# Allegro board CHIP_v1_0_20151123.brd (continued)
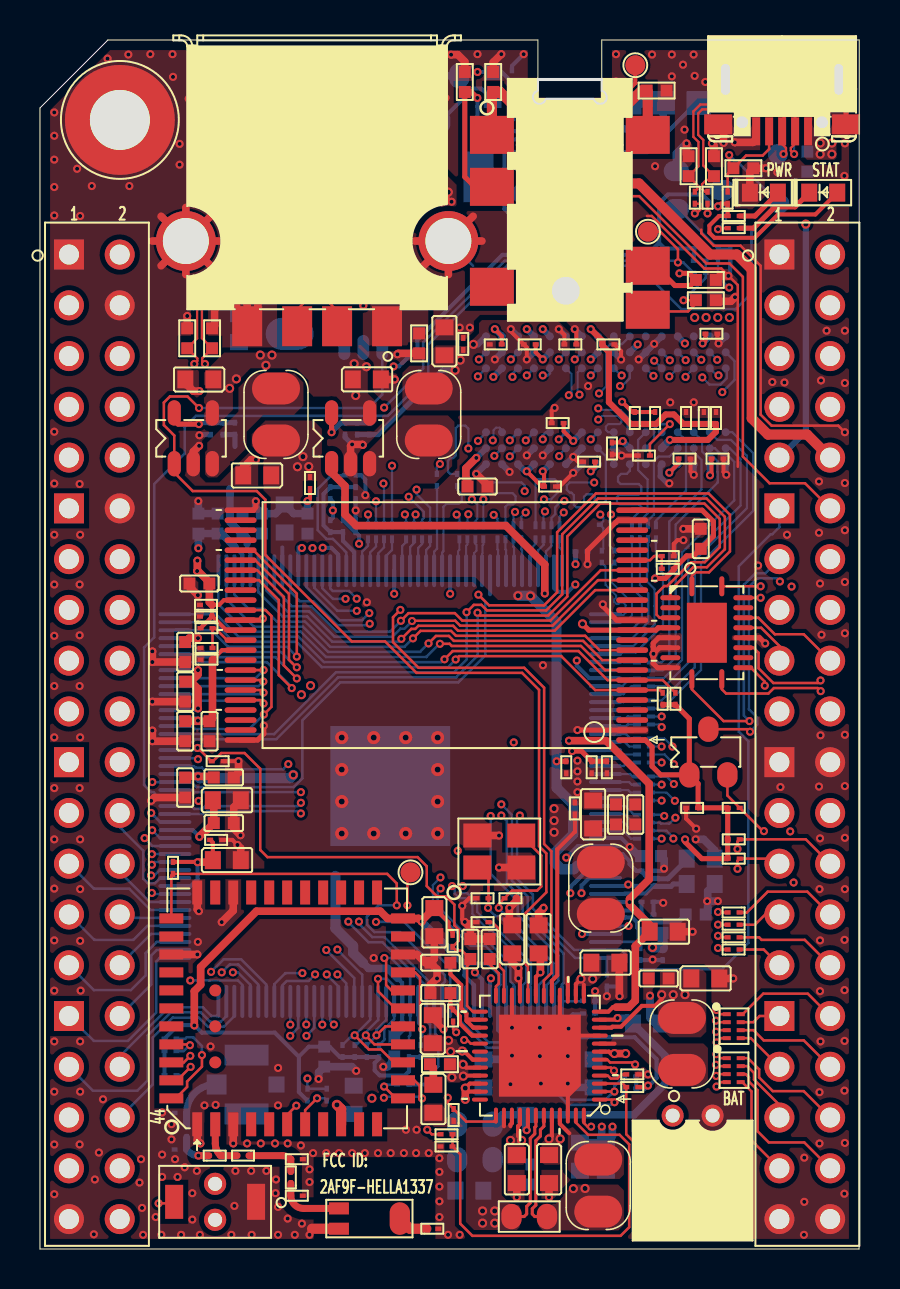
[diagram p0: board, top side]
## Routing (per net, layer and track width the routed paths; a pad name or vN(x,y) marks a point on that pad's centre or on a via; arc(x,y) is an arc through that point) (continued)
  BOTTOM w0.203: U1.77 27.4,18.96 26.55,18.11 v1(26.55,17.81)
HPL: length 86.2
  IN1 w0.203: U14.4 39.55,47.26 37.99,48.82 37.99,50.16 37.42,50.74 36.61,50.74 36.11,50.24 33.21,50.24 31.97,51.48 31.97,52.3 28.91,55.37 v1(27.16,55.37) 26.69,54.9 24.12,54.9 22.93,56.08 18.26,56.08 12.48,50.3 12.48,44.25 9.54,41.31 9.54,33.94 17.08,26.4 27.08,26.4 27.33,26.15 27.33,22.35 26.46,21.47 26.46,19.7 v1(26.34,19.59)
  BOTTOM w0.203: v1(27.16,55.37) 26.8,55.37 26.55,55.11 26.55,54.67 R101.1 C79.1 ; U1.74 26.92,20.16 v1(26.34,19.59)
HPR: length 87.4
  IN1 w0.203: v1(27.11,17.81) 27.3,18 27.3,21.12 28.17,22 28.17,26.49 27.43,27.24 17.43,27.24 10.37,34.29 10.37,40.97 13.31,43.91 13.31,49.95 18.61,55.24 22.59,55.24 24.04,53.79 v1(24.19,53.79) 24.45,54.05 29.04,54.05 31.14,51.95 31.14,51.13 32.87,49.4 35.23,49.4 36.39,48.23 37.38,48.23 38.03,47.59 38.03,45.86 38.56,45.33 38.56,43.13 U14.8
  BOTTOM w0.203: C78.1 24.26,53.71 v1(24.19,53.79) 24.12,53.79 R100.1 ; v1(27.11,17.81) 27.11,18.19 27.48,18.56 U1.78
HPVCC: length 248.7
  TOP w0.203: 8.64,31.65 8.61,31.68 C190.2 8.97,32.23 9.2,32.47 U30.34 ; 8.64,31.65 9.32,30.97 U30.37 ; 8.64,31.65 C193.2 8.61,31.64 NSR4.1 ; R11.2 30.36,8.1 v1(30.43,8.18) ; R17.2 20.65,15.87 20.45,16.07 20.45,16.35 C50.1 ; C157.1 8.65,20.34 C189.2 ; U30.39 9.11,29.97 C192.2 ; v1(7.89,19.35) 7.88,19.37 R65.2 ; v1(33.94,52.17) 34.07,52.3 R70.2 34.42,51.69 R8.2 33.99,51.69 33.51,51.21 33.51,50.85 33.76,50.6 35.78,50.6 36.95,51.77 38.81,51.77 D2.1
  TOP w0.254: C172.2 v1(25.86,24.4) ; U30.1 30.29,25.47 30.64,25.12 30.64,24.16 31.07,23.72 Q11.1 ; Q11.1 32.94,23.28 C191.2 R206.1 R6.1 R18.1 33.13,19.53 32.29,20.37 v1(32.29,20.5) ; Q11.1 32.5,26.54 R131.1 R130.1 ; U27.5 30.94,31.08 30.82,30.97 U30.12 27.47,30.97 v2(27.16,31.28) ; v1(30.79,33.55) 31.3,33.55 31.72,33.98 NSR3.1 32.37,34.68 32.72,34.68 C145.2 33.71,35.67 33.71,36.4 33.14,36.97 U30.24
  TOP w0.381: C192.2 8.64,26.56 C158.2 7.94,26.41 v1(7.91,26.44) 7.88,26.41 C160.2 ; v1(7.89,19.35) 8.55,19.35 C157.1 ; v1(7.73,11.19) 7.73,12.9 8.04,13.22 8.04,14.11 10.84,16.9 17.03,16.9 17.4,16.54 U9.22 18.95,16.54 v1(19.11,16.38) 19.11,16.43 C50.1 ; v1(7.88,34.44) 7.88,33.93 v1(7.87,33.92) 7.91,33.92 8.48,33.36 C159.2 8.48,32.36 C190.2
  IN1 w0.203: v2(13.16,39.65) 13.16,40.76 15.61,43.21 16.74,43.21 v1(17.7,44.16)
  IN1 w0.254: v2(38.33,51.28) 37.44,52.17 v1(33.94,52.17)
  IN1 w0.381: v1(20.07,58.88) 19.82,59.13 12.07,59.13 8.97,56.03 v1(8.97,54.05) 7.73,52.81 5.36,52.81 2.75,50.19 2.75,45.97 U13.5 ; v1(32.29,20.5) 32.29,20.69 31.92,21.06 31.02,21.06 30.59,21.49 30.59,27.85 v2(27.16,31.28)
  IN2 w0.381: v1(7.89,19.35) 10.18,17.07 10.18,13.62 7.74,11.19 v1(7.73,11.19)
  BOTTOM w0.203: 18.27,8.69 18.47,8.89 R49.1 R48.1 R2.1 ; 18.27,8.69 17.01,8.69 16.75,8.94 16.75,9.31 16.97,9.53 R50.1 R51.1 R52.1 R53.1 15.02,9.61 14.5,10.13 C49.2 13.46,10.13 12.96,9.63 ; 18.27,8.69 18.47,8.48 R66.2 18.48,8.23 R3.1 ; 30.99,50.34 30.99,52.32 31.44,52.77 33.14,52.77 33.74,52.17 v1(33.94,52.17) ; 30.99,50.34 31.27,50.06 R10.2 R88.2 ; 30.99,50.34 30.4,49.75 23.15,49.75 18.89,45.49 18.89,45.09 17.96,44.16 v1(17.7,44.16) ; U1.163 7.78,26.56 v1(7.91,26.44) ; 7.73,11.2 8.1,10.83 11.76,10.83 12.96,9.63 ; 7.73,11.2 6.92,11.2 R59.1 R58.1 R55.1 R56.1 ; 7.73,11.2 v1(7.73,11.19) ; 10.37,35.31 10.37,35 10.53,34.84 U1.5 ; 26.89,19.18 26.9,19.18 27.09,19.36 U1.76 ; R87.2 12.96,7.85 12.96,9.63 ; U1.142 7.55,18.16 7.89,18.51 v1(7.89,19.35) ; R86.2 9.22,53.52 8.97,53.78 v1(8.97,54.05) ; U1.100 21.73,13.2 21.24,13.69 21.24,14.2 21.32,14.27 22.45,14.27 23,13.72 23,13.23 22.93,13.16 U1.97 22.93,10.96 23.26,10.63 25.57,10.63 25.6,10.6 29.77,10.6 30.87,9.5 30.87,8.56 30.49,8.18 v1(30.43,8.18) 30.28,8.03 R1.1 R4.1
  BOTTOM w0.254: C67.1 R79.2 9.76,40.16
  BOTTOM w0.305: v2(38.33,51.28) 38.33,40.92 U14.9
  BOTTOM w0.381: D18.2 20.25,58.7 v1(20.07,58.88) ; 21.24,14.2 21.24,14.25 v1(19.11,16.38) ; 9.51,38.04 9.51,36.38 10.09,35.8 C161.2 10.37,35.57 10.37,35.31
  BOTTOM w0.508: 26.89,19.18 26.72,19 26.1,19 25.76,19.34 25.76,19.83 26.69,20.75 26.69,22.28 26.66,22.28 25.86,23.08 v1(25.86,24.4) 25.86,31.37 v2(24.55,32.68) 24.54,32.69 v2(23.93,32.69)
  vias: v2(12.89,39.14) v2(13.45,39.15)
IPSOUT: length 9.6
  TOP w0.203: U3.13 27.22,13.22 ; U3.7 28.48,9.88 28.57,9.78 v2(28.75,9.78) ; U3.34 21.51,8.28 v2(21.29,8.05) 21.46,7.88 U3.35 ; U3.21 24.02,13.47 v1(23.95,13.55) ; v2(27.08,13.51) 26.82,13.26 U3.14 ; v2(25.48,5.51) 25.62,5.65 U3.44 ; U3.40 24.02,6.24 23.93,6.15 23.93,5.64
  TOP w0.381: v2(21.29,8.05) v2(21.29,7.49) ; v2(28.75,9.78) 29.31,9.78 v2(29.32,9.78) ; C29.1 23.64,14.34 23.95,14.04 ; v1(23.95,13.55) 23.95,14.04 ; 23.95,14.04 v1(23.95,14.06)
  vias: v2(9.49,43.06) v2(9.83,43.54) v2(11.03,44.73) v2(11.31,44.22) v2(11.61,44.73) v2(15.73,44.3) v2(15.8,42.71) v2(16.34,44.15) v2(23.55,5.44) v2(24.11,5.44) v2(26.04,5.51) v2(27.67,13.51)
LCD-CLK: length 13.6
  IN2 w0.127: v1(7.52,13.44) 7.52,13.07 4.64,10.19 3.51,10.19 2.95,9.63 2.95,8.08 U13.35
  BOTTOM w0.127: v1(7.52,13.44) 9.91,13.44 10.13,13.22 U1.129
LCD-D2: length 12.7
  IN2 w0.127: U13.17 2.93,27.97 4.45,27.97 6.02,26.39 6.02,21.36 5.62,20.96 v1(5.62,20.96)
  BOTTOM w0.127: v1(5.62,20.96) 6.01,20.56 U1.148
LCD-D3: length 8.5
  IN2 w0.127: U13.20 5.05,25.84 5.05,20.75 v1(5.24,20.56)
  BOTTOM w0.127: U1.147 5.63,20.16 v1(5.24,20.56)
LCD-D4: length 10.8
  IN2 w0.127: U13.19 2.72,25.63 2.72,21.27 3.59,20.4 4.44,20.4 5.07,19.76 v1(5.6,19.76)
  BOTTOM w0.127: v1(5.6,19.76) 5.61,19.76 U1.146
LCD-D5: length 9.1
  IN2 w0.127: U13.22 2.98,23.34 2.98,21.37 3.7,20.65 4.54,20.65 5.04,20.15 5.76,20.15 5.99,19.92 5.99,19.6 5.62,19.23 v1(5.6,19.23)
  BOTTOM w0.127: U1.145 5.74,19.36 v1(5.6,19.23)
LCD-D6: length 10.7
  IN2 w0.127: v1(5.56,18.69) 4.94,18.07 3.61,18.07 2.87,18.8 2.87,20.76 2.47,21.16 2.47,23.34 U13.21
  BOTTOM w0.127: v1(5.56,18.69) 5.73,18.69 6.01,18.96 U1.144
LCD-D7: length 5.6
  BOTTOM w0.127: U13.24 3.99,21.11 5.17,19.93 5.17,18.53 5.4,18.3 5.75,18.3 6.02,18.56 U1.143
LCD-D10: length 8.1
  IN2 w0.127: v1(5.6,17.82) 3.5,17.82 2.62,18.69 2.62,20.65 U13.23
  BOTTOM w0.127: U1.141 5.65,17.76 v1(5.6,17.82)
LCD-D11: length 3.8
  BOTTOM w0.127: U1.140 5.49,17.36 3.99,18.87 U13.26
LCD-D12: length 6.3
  BOTTOM w0.127: U1.139 5.53,16.96 4.47,18.03 2.7,18.03 U13.25
LCD-D13: length 2.8
  BOTTOM w0.127: U1.138 4.17,16.56 U13.28
LCD-D14: length 6.1
  BOTTOM w0.127: U13.27 2.72,15.47 4.68,15.47 5.37,16.16 U1.137
LCD-D15: length 3.4
  BOTTOM w0.127: U13.30 5.56,15.76 U1.136
LCD-D18: length 7.5
  BOTTOM w0.127: U1.135 5.84,15.36 5.29,14.81 5.29,13.69 4.55,12.95 2.7,12.95 U13.29
LCD-D19: length 5
  BOTTOM w0.127: U13.32 5.57,13.23 5.57,14.68 5.85,14.96 U1.134
LCD-D20: length 9
  BOTTOM w0.127: U13.31 2.7,10.41 4.41,10.41 5.82,11.83 5.82,14.39 6,14.56 U1.133
LCD-D21: length 7.3
  BOTTOM w0.127: U13.34 3.99,9.64 6.44,12.09 8.16,12.09 8.59,11.66 8.84,11.66 8.93,11.75 U1.132
LCD-D22: length 12.4
  BOTTOM w0.127: U13.33 2.65,7.92 4.88,7.92 5.39,8.43 5.39,10.68 6.55,11.84 8.05,11.84 8.51,11.37 9.05,11.37 9.33,11.65 U1.131
LCD-D23: length 10.3
  BOTTOM w0.127: U13.36 5.64,8.23 5.64,10.57 6.65,11.58 7.95,11.58 8.41,11.12 9.2,11.12 9.73,11.65 U1.130
LCD-DE: length 16.7
  IN2 w0.127: U13.40 5.47,2.97 5.47,9.58 9.66,13.77 v1(9.66,13.84)
  BOTTOM w0.127: v1(9.66,13.84) 9.91,13.84 10.53,13.22 U1.128
LCD-HSYNC: length 15.2
  IN2 w0.127: U13.38 5.21,5.26 5.21,9.68 9.1,13.57 v1(9.1,13.84)
  BOTTOM w0.127: U1.127 10.93,13.23 9.92,14.24 9.49,14.24 v1(9.1,13.84)
LCD-VSYNC: length 18.2
  IN2 w0.127: v1(8.56,13.87) 8.56,13.39 4.96,9.79 4.96,5.82 4.45,5.31 2.72,5.31 U13.37
  BOTTOM w0.127: U1.126 11.33,13.24 10.08,14.49 9.19,14.49 v1(8.56,13.87)
LDO3: length 16.5
  TOP w0.203: U3.41 24.42,6.01 v1(24.36,5.95) ; v1(28.91,11.56) 28.83,11.48 U3.11
  BOTTOM w0.381: v1(24.36,5.95) 24.31,6 C28.2 ; C28.2 23.13,6.72 R81.2 ; C28.2 29.73,6.72 31.3,8.28 31.3,9.66 29.68,11.28 C66.2 29.4,11.56 v1(28.91,11.56)
LED-STATUS: length 61.4
  TOP w0.127: U3.5 28.58,9.08 v1(28.73,8.93)
  IN1 w0.127: v1(34.5,48.11) 35.26,48.11 35.82,47.55 35.82,46.72 36.52,46.02 37.09,46.02 37.98,45.13 37.98,41.53 38.49,41.02 38.49,21.11 38.31,20.93 38.31,6.38 37.27,5.33 36.48,5.33 35.64,4.5 30.16,4.5 29.77,4.88 29.77,7.88 v1(28.73,8.93)
  BOTTOM w0.127: R10.1 33.93,49.46 R103.2 33.94,48.66 34.49,48.11 v1(34.5,48.11)
LRADC: length 32
  BOTTOM w0.127: U1.86 29.75,15.36 C165.2 29.75,14.75 29.75,14.2 29.95,14 34.14,14 35.46,15.32 35.46,25.4 34.98,25.88 34.98,34.16 36.58,35.76 36.66,35.76 37.01,36.12 U14.11
MICIN1: length 90.4
  TOP w0.127: v1(29.11,52.68) 29.99,52.68 33.36,49.31 34.51,49.31 35.18,48.64 35.18,39.65 36.52,38.32 38.3,38.32 U14.12
  IN1 w0.127: v1(29.11,52.68) 28.56,52.13 23.5,52.13 21.96,53.66 19.23,53.66 14.88,49.31 14.88,43.25 12.22,40.59 12.22,34.66 18.08,28.8 28.08,28.8 29.75,27.13 29.75,21.37 28.86,20.48 28.86,16.77 v1(29.46,16.16)
  BOTTOM w0.127: U1.84 v1(29.46,16.16) ; C54.1 28.22,53.23 28.77,52.68 v1(29.11,52.68)
MICM: length 98.8
  TOP w0.508: U14.10 38.4,40.75 36.44,40.75 35.63,41.56 35.63,49.02 34.89,49.76 33.54,49.76 29.99,53.31 v2(28.73,53.31) 28.53,53.52 28.53,56.38 30.11,57.96 ESD33.2 30.42,57.91 J11.5 30.42,55.66
  IN1 w0.508: v2(28.73,53.31) 27.99,52.57 23.68,52.57 22.15,54.1 19.04,54.1 14.43,49.49 14.43,43.43 11.77,40.77 11.77,34.47 17.89,28.35 27.89,28.35 29.29,26.96 29.29,21.54 28.41,20.66 28.41,16.38 29.71,15.09 v2(30.66,15.09)
  BOTTOM w0.254: v2(28.73,53.31) 28.86,53.44 C294.2
  BOTTOM w0.508: C164.1 31.17,15.81 R122.2 31.14,15.09 v2(30.66,15.09)
NALE: length 21.6
  TOP w0.127: U30.17 27.93,33.47 25.65,31.19 21.03,31.19 20.79,31.44 18.64,31.44 v1(18.62,31.42)
  BOTTOM w0.127: v1(18.62,31.42) 18.24,31.04 18.04,31.04 17.64,30.64 14.74,30.64 13.47,31.9 12.37,31.9 11.33,32.95 U1.7
NCE0-N: length 23.7
  TOP w0.127: v1(19.45,30.3) 19.82,30.68 20.47,30.68 20.72,30.43 27.18,30.43 28.15,29.47 U30.9
  BOTTOM w0.127: v1(19.45,30.3) 19.02,29.88 14.42,29.88 13.16,31.14 10.7,31.14 9.33,32.51 U1.2
NCE1-N: length 22.9
  TOP w0.127: U30.10 28,29.97 27.29,30.68 20.82,30.68 20.58,30.93 19.05,30.93 18.67,30.55 v1(18.67,30.55)
  BOTTOM w0.127: v1(18.67,30.55) 18.25,30.13 14.53,30.13 13.26,31.4 11.86,31.4 11.23,32.03 10.44,32.03 9.73,32.74 U1.3
NCLE: length 22.1
  TOP w0.127: v1(18.09,30.53) 18.59,31.03 18.79,31.03 18.94,31.18 20.68,31.18 20.93,30.94 25.76,30.94 27.79,32.97 U30.16
  BOTTOM w0.127: v1(18.09,30.53) 17.94,30.38 14.64,30.38 13.37,31.65 12.14,31.65 10.93,32.86 U1.6
ND0: length 13.5
  TOP w0.127: U30.29 10.68,34.97 12.86,32.79 v1(12.86,29.64)
  BOTTOM w0.127: U1.174 8.59,30.96 9.43,30.13 12.37,30.13 v1(12.86,29.64)
ND1: length 13.5
  TOP w0.127: v1(12.86,29.11) 12.83,29.11 12.46,29.48 12.46,32.78 10.78,34.47 U30.30
  BOTTOM w0.127: v1(12.86,29.11) 12.83,29.11 12.07,29.87 8.04,29.87 7.75,30.16 U1.172
ND2: length 13.7
  TOP w0.127: v1(12.86,28.55) 12.21,29.2 12.21,32.63 10.87,33.97 U30.31
  BOTTOM w0.127: v1(12.86,28.55) 11.79,29.62 7.93,29.62 7.78,29.76 U1.171
ND3: length 13.4
  TOP w0.127: U30.32 10.96,33.47 11.96,32.47 11.96,28.71 v1(12.6,28.07)
  BOTTOM w0.127: U1.170 11.36,29.36 12.6,28.12 v1(12.6,28.07)
ND4: length 5.8
  TOP w0.127: U30.41 v1(11.19,28.97)
  BOTTOM w0.127: v1(11.19,28.97) 10.79,28.56 U1.168
ND5: length 5.7
  TOP w0.127: v1(11.18,28.4) 11.11,28.47 U30.42
  BOTTOM w0.127: v1(11.18,28.4) 10.95,28.16 U1.167
ND6: length 5.7
  TOP w0.127: v1(11.19,27.84) 11.06,27.97 U30.43
  BOTTOM w0.127: U1.166 11.12,27.76 v1(11.19,27.84)
ND7: length 5.7
  TOP w0.127: v1(11.19,27.3) 11.02,27.47 U30.44
  BOTTOM w0.127: v1(11.19,27.3) 11.04,27.44 7.63,27.44 7.55,27.36 U1.165
NDQS: length 11.6
  TOP w0.127: U30.35 11.29,31.97 11.58,31.67 11.58,27.13 v1(11.21,26.75)
  BOTTOM w0.127: U1.162 7.6,26.16 7.74,26.02 10.48,26.02 v1(11.21,26.75)
NMI-N: length 39.8
  TOP w0.127: v1(27.59,6.12) 27.41,6.12 27.22,6.31 U3.48 ; R16.1 20.68,11 v1(20.83,10.85)
  IN1 w0.127: v1(7.91,24.51) 8.64,23.78 8.64,21.94 9.15,21.43 9.15,20.34 12.02,17.47 17.01,17.47 18.24,16.24 18.24,13.64 20.16,11.72 ; 20.16,11.72 20.83,11.04 v1(20.83,10.85) ; 20.16,11.72 19.81,11.37 19.81,8.77 20.81,7.77 20.81,5.66 21.98,4.5 27.13,4.5 27.59,4.95 v1(27.59,6.12)
  BOTTOM w0.127: U1.158 7.86,24.56 v1(7.91,24.51)
NRB0-N: length 27.1
  TOP w0.127: v1(20.25,29.51) 20.66,29.92 26.95,29.92 28.41,28.47 U30.7 31.17,28.47 R131.2
  BOTTOM w0.127: v1(20.25,29.51) 20.11,29.37 14.21,29.37 12.95,30.63 9.93,30.63 8.8,31.76 U1.176
NRB1-N: length 26.3
  TOP w0.127: v1(20.81,29.5) 20.98,29.67 26.09,29.67 27.79,27.97 U30.6 31.04,27.97 R130.2
  BOTTOM w0.127: U1.175 8.7,31.36 9.68,30.38 12.84,30.38 14.11,29.11 20.42,29.11 v1(20.81,29.5)
NRE-N: length 24.3
  TOP w0.127: U30.8 28.29,28.97 27.08,30.17 20.61,30.17 20.5,30.28 v1(20.02,30.28)
  BOTTOM w0.127: v1(20.02,30.28) 20.02,30.3 19.34,29.62 14.32,29.62 13.05,30.89 10.31,30.89 8.93,32.27 U1.1
NWE-N: length 21.3
  TOP w0.127: U30.18 28.07,33.97 25.55,31.44 21.14,31.44 20.77,31.82 18.45,31.82 v1(18.07,31.43)
  BOTTOM w0.127: v1(18.07,31.43) 17.52,30.89 14.85,30.89 13.58,32.16 12.61,32.16 11.73,33.04 U1.8
NWP-N: length 2.2
  TOP w0.127: NSR3.2 C194.2 30.74,34.67 30.54,34.47 U30.19
ODT: length 28.3
  IN2 w0.152: v1(27.98,42.81) 27.54,42.37 27.54,41.12 28.15,40.51 28.15,38.07 29.65,36.57 29.65,32.94 29.89,32.7 29.89,21.76 v1(31.12,20.53)
  BOTTOM w0.114: RN29.8 v1(31.12,20.53) ; U29.K1 29.14,45.28 28.55,45.28 28.34,45.07 28.34,43.17 v1(27.98,42.81)
OSC24MI: length 8.5
  TOP w0.127: v1(22.43,17.07) 22.45,17.09 C1.2 22.45,18.53 X1.1
  BOTTOM w0.127: U1.92 24.93,13.17 25.44,13.68 25.44,14.21 22.99,16.66 22.8,16.66 22.43,17.03 v1(22.43,17.07)
OSC24MO: length 11.6
  TOP w0.127: v1(22.97,17.07) 22.97,17.27 C5.2 23.63,17.93 24.88,17.93 25.09,18.14 25.09,19.69 X1.3
  BOTTOM w0.127: U1.91 25.33,13.18 25.7,13.55 25.7,14.31 22.97,17.04 v1(22.97,17.07)
PG4: length 38.3
  TOP w0.127: Q11.2 34.41,22.69 R206.2 36.19,20.91 v1(36.24,20.91)
  IN2 w0.127: v1(36.24,20.91) 35.56,20.24 35.56,18.65 35.29,18.38 30.68,18.38 30.17,18.88 26.63,18.88 25.85,18.1 22.14,18.1 20.99,19.25 20.78,19.25 13.85,19.25 13.06,20.04 v1(13.06,21.79)
  BOTTOM w0.127: U1.151 8.24,21.76 8.38,21.91 12.94,21.91 v1(13.06,21.79)
PMU-GPIO1: length 60.2
  TOP w0.127: U3.18 25.22,13.43 25.6,13.81 25.6,19.9 25.24,20.26 25.24,28.08 24.24,29.08 18.95,29.08 17.67,30.36 17.67,31.61 v1(18.04,31.98) ; v1(31.93,49.36) 31.93,50.02 31.05,50.9 TP7.1
  IN1 w0.127: v1(18.04,31.98) 17.81,31.98 15.37,34.42 15.37,38.51 16.82,39.95 16.82,41.69 v1(17.23,42.1)
  BOTTOM w0.127: R414.1 32.2,49.36 v1(31.93,49.36) 31.84,49.45 23.27,49.45 19.18,45.36 19.18,44.06 v1(17.23,42.1)
POWER-ON: length 70.6
  TOP w0.127: v1(19.38,5.97) 19.61,5.74 R83.2 ; v1(5.94,2.29) 6.64,2.29 SW1.2
  IN1 w0.127: U13.10 2.98,38.58 2.98,31.53 3.54,30.96 5.16,30.96 7.22,28.91 7.22,23.14 v1(7.94,22.42) 7.94,21.93 8.64,21.22 8.64,20.13 11.81,16.96 16.8,16.96 17.73,16.03 17.73,10.12 19.99,7.86 19.99,6.58 v1(19.38,5.97)
  IN2 w0.127: v1(5.94,2.29) 5.72,2.5 5.72,9.47 6.97,10.72 7.81,10.72 10.56,13.46 10.56,17.23 8.6,19.18 8.6,21.76 v1(7.94,22.42)
PWM0: length 29.3
  IN1 w0.127: U13.18 3.99,29.36 5.19,28.16 5.19,27.03 6.2,26.01 6.2,22.01 7.01,21.19 7.01,19.66 7.75,18.92 8.41,18.92 11.85,15.48 15.93,15.48 v1(16.82,16.37)
  BOTTOM w0.127: v1(16.82,16.37) 18.23,16.37 20.53,14.06 U1.103
RAS: length 19
  IN2 w0.152: v1(29.12,43.71) 29.65,43.18 29.65,37.58 30.38,36.84 30.38,33.3 31.12,32.56 v1(31.12,26.65)
  BOTTOM w0.114: U29.J3 29.08,43.71 v1(29.12,43.71) ; RN26.7 v1(31.12,26.65)
RESET-N: length 27.2
  TOP w0.127: v1(7.89,25.07) 7.91,25.07 8.57,24.41 C166.2 8.66,24.41 9.07,24.82 10.24,24.82 11.03,24.03 11.03,19.96 11.38,19.61 18.9,19.61 19.36,19.15 19.36,18.16 19.87,17.65 20.33,17.65 20.74,17.23 20.74,16.19 20.96,15.98 20.96,15.42 R17.1 20.84,14.94 21.12,14.94 C37.2 21.54,14.33 21.38,14.16 21.38,12.17 21.67,11.88 U3.25
  BOTTOM w0.127: v1(7.89,25.07) 7.78,24.96 U1.159
RST: length 27.2
  IN2 w0.152: v1(34.15,42.88) 35.23,41.79 35.23,38.26 34.75,37.78 34.75,24.14 32.28,21.67 31.89,21.67 v1(31.81,21.58)
  BOTTOM w0.114: RN29.6 31.04,21.33 31.09,21.28 31.51,21.28 v1(31.81,21.58)
  BOTTOM w0.127: U29.T2 34.76,44.43 34.76,43.49 v1(34.15,42.88)
RTCVDD: length 3
  TOP w0.203: C22.2 20.55,12.12 R16.2 21.02,11.65 21.02,11.28 21.56,10.75 21.57,10.75 21.64,10.68 U3.28
SA0: length 1.6
  BOTTOM w0.114: RN27.1 29.39,24.34 29.21,24.16 U1.64
SA1: length 1.6
  BOTTOM w0.114: RN25.3 29.23,28.95 29.21,28.96 U1.52
SA2: length 1.6
  BOTTOM w0.114: RN28.3 29.62,23.24 29.49,23.36 U1.66
SA3: length 1.6
  BOTTOM w0.114: U1.65 29.54,23.76 29.67,23.64 RN28.4
SA4: length 1.6
  BOTTOM w0.114: U1.51 29.21,29.36 29.23,29.35 RN25.4
SA5: length 1.6
  BOTTOM w0.114: RN28.2 29.57,22.84 29.44,22.96 U1.67
SA6: length 1.7
  BOTTOM w0.114: RN25.2 29.54,28.55 29.16,28.16 U1.54
SA7: length 1.8
  BOTTOM w0.114: U1.71 29.2,21.36 29.63,20.93 RN29.2
SA8: length 1.7
  BOTTOM w0.114: U1.55 29.2,27.76 29.59,28.15 RN25.1
SA9: length 1.8
  BOTTOM w0.114: U1.69 29.3,22.16 29.73,21.73 RN29.4
SA10: length 6.8
  BOTTOM w0.114: RN24.3 30.03,33.23 30.45,32.82 30.45,32.04 30.45,31.37 29.64,30.56 U1.48
SA11: length 1.6
  BOTTOM w0.114: U1.56 29.2,27.36 29.29,27.45 RN26.4
SA12: length 7.9
  BOTTOM w0.114: U1.50 29.05,29.76 29.13,29.85 29.82,29.85 31.18,31.21 31.18,32.38 31.18,33.82 30.83,34.17 RN24.1
SA13: length 1.6
  BOTTOM w0.114: U1.68 29.38,22.56 29.51,22.44 RN28.1
SA14: length 1.6
  BOTTOM w0.114: RN26.3 29.29,27.05 29.2,26.96 U1.57
SBA0: length 1.6
  BOTTOM w0.114: RN27.2 29.27,24.74 29.09,24.56 U1.63
SBA1: length 7.4
  BOTTOM w0.114: RN24.2 30.43,33.91 30.38,33.86 30.38,33.4 30.76,33.02 30.76,32.17 30.76,31.24 29.69,30.16 U1.49
SBA2: length 1.7
  BOTTOM w0.114: U1.61 29.28,25.36 29.5,25.14 RN27.3
SCAS: length 1.6
  BOTTOM w0.114: RN26.1 29.42,26.25 29.34,26.16 U1.59
SCK: length 4.5
  BOTTOM w0.102: U1.45 29.05,31.76 29.09,31.72 29.2,31.72 29.32,31.84 29.32,32.22 29.18,32.36 29.04,32.36 28.96,32.29 28.84,32.29 28.75,32.38 28.75,32.5 28.84,32.6 28.84,32.7 28.31,33.23 28.31,34.16 R422.2
SCK-N: length 4.6
  BOTTOM w0.102: U1.46 29.09,31.36 29.13,31.41 29.33,31.41 29.63,31.71 29.63,32.34 28.61,33.36 28.61,34.2 R68.2
SCKE: length 6.3
  BOTTOM w0.114: U1.47 29.59,30.96 30.13,31.5 30.13,31.91 30.13,32.59 29.63,33.09 RN24.4
SDQ0: length 1.7
  BOTTOM w0.114: RN21.1 17.62,34.98 17.33,34.68 U1.22
SDQ1: length 1.7
  BOTTOM w0.114: U1.40 24.53,35 24.8,35.28 RN20.4
SDQ2: length 1.7
  BOTTOM w0.114: RN21.2 17.22,35.1 16.93,34.81 U1.21
SDQ3: length 1.7
  BOTTOM w0.114: RN20.3 25.2,35.23 24.93,34.96 U1.41
SDQ4: length 1.7
  BOTTOM w0.114: U1.19 16.13,34.9 16.42,35.19 RN21.4
SDQ5: length 1.6
  BOTTOM w0.114: RN20.1 26,35.1 26.13,34.98 U1.44
SDQ6: length 1.7
  BOTTOM w0.114: RN21.3 16.82,35.15 16.53,34.86 U1.20
SDQ7: length 1.7
  BOTTOM w0.114: RN20.2 25.6,35.18 25.33,34.91 U1.42
SDQ8: length 1.6
  BOTTOM w0.114: RN22.3 23.3,35.01 23.33,34.98 U1.37
SDQ9: length 1.7
  BOTTOM w0.114: U1.25 18.53,35.13 18.73,35.32 RN23.3
SDQ10: length 1.6
  BOTTOM w0.114: RN22.1 24.1,35.01 24.13,34.98 U1.39
SDQ11: length 1.7
  BOTTOM w0.114: RN23.4 18.33,35.37 18.13,35.17 U1.24
SDQ12: length 1.6
  BOTTOM w0.114: U1.36 22.93,34.98 22.9,35.01 RN22.4
SDQ13: length 1.7
  BOTTOM w0.114: RN23.2 19.13,35.27 18.93,35.08 U1.26
SDQ14: length 1.6
  BOTTOM w0.114: RN22.2 23.7,35.13 23.73,35.1 U1.38
SDQ15: length 1.7
  BOTTOM w0.114: U1.27 19.33,34.98 19.53,35.17 RN23.1
SDQM0: length 5.1
  BOTTOM w0.114: U1.29 20.13,34.85 20.19,34.91 20.19,37.13 20.35,37.29 20.96,37.29 21.11,37.44 21.11,37.75 20.88,37.98 R420.1
SDQM1: length 4.3
  BOTTOM w0.114: R421.1 19.87,37.98 19.88,37.97 19.88,35.04 19.73,34.9 U1.28
SDQS0: length 1.6
  BOTTOM w0.102: U1.31 20.93,34.92 20.99,34.98 RN30.8
SDQS0-N: length 1.6
  BOTTOM w0.102: U1.32 21.33,35.19 21.39,35.26 RN30.7
SDQS1: length 1.6
  BOTTOM w0.102: U1.33 21.73,34.82 21.85,34.94 21.85,35.23 21.79,35.28 RN30.6
SDQS1-N: length 1.6
  BOTTOM w0.102: RN30.5 22.19,35.26 22.15,35.21 22.15,34.81 22.13,34.79 U1.34
SODT: length 1.8
  BOTTOM w0.114: RN29.1 29.58,20.53 29.15,20.96 U1.72
SRAS: length 1.6
  BOTTOM w0.114: U1.58 29.34,26.56 29.42,26.65 RN26.2
SRST: length 1.8
  BOTTOM w0.114: U1.70 29.25,21.76 29.68,21.33 RN29.3
SVREF: length 6.6
  BOTTOM w0.203: R91.2 C82.2 C84.1 14.19,37.78 14.19,36.21 C295.2 R89.1 15.17,35.43 15.73,34.87 U1.18
SWE: length 1.7
  BOTTOM w0.114: U1.60 29.34,25.76 29.56,25.54 RN27.4
SZQ: length 6.5
  BOTTOM w0.127: R94.2 14.58,38.71 13.9,38.03 13.9,35.97 14.34,35.53 14.66,35.53 15.33,34.86 U1.17
TPX1: length 45.4
  IN2 w0.127: v1(23.09,21.69) 23.49,22.09 23.49,22.47 23.07,22.89 23.07,28.51 20.87,30.71 20.87,30.71 20.2,31.38 20.2,31.39 18.13,33.45 16.87,33.45 15.23,35.09 15.23,35.45 14.6,36.08 7.22,36.08 4.54,33.4 2.57,33.4 U13.13
  BOTTOM w0.127: v1(23.09,21.69) 23.37,21.41 23.37,18.32 24.16,17.53 24.16,16.83 26.21,14.79 26.21,13.31 26.13,13.23 U1.89 27.16,12.39 C173.2
TPX2: length 42.5
  IN2 w0.127: U13.14 5.3,34.52 7.12,36.33 14.7,36.33 15.48,35.56 15.48,35.2 16.97,33.71 18.24,33.71 20.45,31.49 20.98,30.96 20.98,30.96 23.32,28.62 23.32,22.99 23.74,22.57 23.74,21.97 v1(24.02,21.69)
  BOTTOM w0.127: C174.2 29.01,14.02 29.34,14.35 29.34,14.71 29.09,14.96 U1.87 26.75,14.96 24.67,17.04 24.67,17.74 23.88,18.53 23.88,21.55 v1(24.02,21.69)
TPY1: length 47.6
  IN2 w0.127: U13.15 2.52,30.91 4.42,30.91 5.08,31.57 5.08,33.22 7.43,35.57 14.39,35.57 14.72,35.24 14.72,34.88 17.21,32.39 18.47,32.39 22.56,28.3 v1(22.56,21.67)
  BOTTOM w0.127: v1(22.56,21.67) 22.56,18.77 23.91,17.42 23.91,16.73 25.95,14.68 25.95,13.42 25.73,13.2 U1.90 25.73,11.56 25.92,11.37 26.25,11.37 26.66,11.79 C175.2
TPY2: length 41.9
  IN2 w0.127: U13.16 3.99,32.49 7.33,35.83 14.49,35.83 14.97,35.35 14.97,34.98 16.76,33.2 18.03,33.2 19.94,31.28 19.94,31.28 20.77,30.45 22.81,28.41 22.81,22.53 v1(23.09,22.25)
  BOTTOM w0.127: v1(23.09,22.25) 23.63,21.72 23.63,18.42 24.41,17.64 24.41,16.94 26.79,14.56 U1.88 28.38,14.49 C176.2
TS: length 50.1
  TOP w0.127: v1(20.41,7.57) 20.41,7.3 R12.2 21.34,6.38 22.71,6.38 22.82,6.49 U3.37
  IN1 w0.127: U13.6 5.47,43.21 5.47,31.02 7.47,29.01 7.47,23.47 8.39,22.56 8.39,21.84 8.89,21.33 8.89,20.23 11.91,17.21 16.91,17.21 17.99,16.13 17.99,10.22 20.41,7.8 v1(20.41,7.57)
TV-OUT: length 14.3
  BOTTOM w0.203: D18.3 21.68,58.06 22.09,58.06 L9.2 22.66,56.96 22.34,56.63 C53.2 C56.2 22.34,55.92 22.74,55.52 24.24,55.52 25.25,56.54 28.63,56.54 TP10.1
  BOTTOM w0.381: TP10.1 30.51,57.33
TVOUT: length 70.4
  IN1 w0.203: v1(21.77,13.84) 21.77,14.86 18.62,18.01 13.34,18.01 9.19,22.17 9.19,24.43 8.74,24.88 8.74,29.11 8.04,29.81 7.7,29.81 6.17,31.33 6.17,43.88 9.4,47.12 9.4,50.11 14.51,55.22 14.51,56.67 15.49,57.65 16.74,57.65 17.12,58.03 21.03,58.03 v1(21.9,58.89)
  BOTTOM w0.203: C53.1 22.94,56.54 23.63,56.54 R60.1 23.63,58.37 C55.2 23.11,58.89 L9.1 22.66,58.89 v1(21.9,58.89) ; U1.99 22.13,13.48 v1(21.77,13.84)
TWI0-SCK: length 12.8
  TOP w0.127: U3.2 v1(28.75,7.88)
  BOTTOM w0.127: U1.101 21.33,11.47 22.46,10.34 25.36,10.34 26.01,9.68 26.01,8.01 26.55,7.47 28.3,7.47 28.54,7.71 28.59,7.71 v1(28.75,7.88) 28.75,8.15 R4.2
TWI0-SDA: length 13.2
  TOP w0.127: U3.1 28.62,7.48 v1(28.76,7.34)
  BOTTOM w0.127: U1.102 20.93,11.51 22.36,10.08 25.26,10.08 25.76,9.58 25.76,8.11 25.76,7.9 26.45,7.21 28.63,7.21 v1(28.76,7.34) 28.79,7.34 29.24,7.8 R1.2
TWI1-SCK: length 40
  IN1 w0.127: v1(15.97,16.38) 15.97,16.36 15.6,15.99 12.06,15.99 7.55,20.5 7.55,21.38 6.71,22.22 6.71,27.36 4.96,29.11 4.96,30.07 4.58,30.45 3.33,30.45 2.47,31.32 2.47,36.04 U13.11
  BOTTOM w0.127: v1(15.97,16.38) 15.97,16.27 16.64,15.6 17.25,15.6 19.73,13.13 U1.105 19.73,11.4 19.78,11.35 19.78,10.78 19.94,10.62 19.94,9.14 R3.2
TWI1-SDA: length 40.1
  IN1 w0.127: U13.9 2.72,38.33 2.72,31.42 3.44,30.71 4.68,30.71 5.21,30.18 5.21,29.21 6.96,27.46 6.96,22.33 8.39,20.9 8.39,20.02 12.02,16.38 v1(15.44,16.38)
  BOTTOM w0.127: R2.2 19.64,10.56 19.53,10.67 19.53,11.24 19.33,11.43 U1.106 19.33,13.17 17.15,15.35 16.44,15.35 15.44,16.36 v1(15.44,16.38)
TWI2-SCK: length 71.3
  TOP w0.127: v1(34.92,20.02) 34.92,20.39 R6.2 38.33,20.5 U14.26 ; U27.2 31.55,32.97 32.7,34.11 33.38,34.11 34.28,35.01 34.28,36.64 33.37,37.55 27.93,37.55 26.14,35.76 26.14,32.76 25.34,31.95 22.38,31.95 22.1,32.23 21.72,32.23 v1(21.35,31.86)
  IN2 w0.127: v1(21.35,31.86) 21.72,32.23 22.09,32.23 22.09,32.23 24.67,29.65 24.67,21.29 25.69,20.27 26.63,20.27 27.22,19.68 34.58,19.68 v1(34.92,20.02)
  BOTTOM w0.127: v1(21.35,31.86) 21.35,29.49 20.73,28.86 14.82,28.86 11.72,25.76 U1.161
TWI2-SDA: length 68.8
  TOP w0.127: U27.4 31.02,31.58 30.86,31.74 30.86,32.79 31.25,33.17 31.4,33.17 32.59,34.37 33.28,34.37 34.03,35.12 34.03,36.53 33.26,37.3 28.04,37.3 26.4,35.65 26.4,32.65 25.44,31.7 22.04,31.7 v1(21.9,31.84) ; v1(34.92,19.02) 34.92,19.42 R18.2 36.76,19.53 U14.25
  IN2 w0.127: v1(21.9,31.84) 24.41,29.33 24.41,21.19 25.58,20.02 26.52,20.02 27.11,19.43 34.51,19.43 v1(34.92,19.02)
  BOTTOM w0.127: v1(21.9,31.84) 21.9,29.68 20.83,28.61 14.92,28.61 11.83,25.51 7.77,25.51 7.62,25.36 U1.160
UART1-RX: length 23.8
  TOP w0.127: Q11.3 35.42,26.01 v1(35.54,25.88)
  IN2 w0.127: v1(37.04,33.4) 37.32,33.4 38.1,34.19 38.1,43.59 U14.5
  BOTTOM w0.127: v1(37.04,33.4) 36.89,33.55 35.91,33.55 35.49,33.13 35.49,27 35.91,26.58 35.91,26.25 v1(35.54,25.88)
